# Altium PCB LS1C300B_176A_Msystem.PcbDoc (part 1 of 3) (continued)
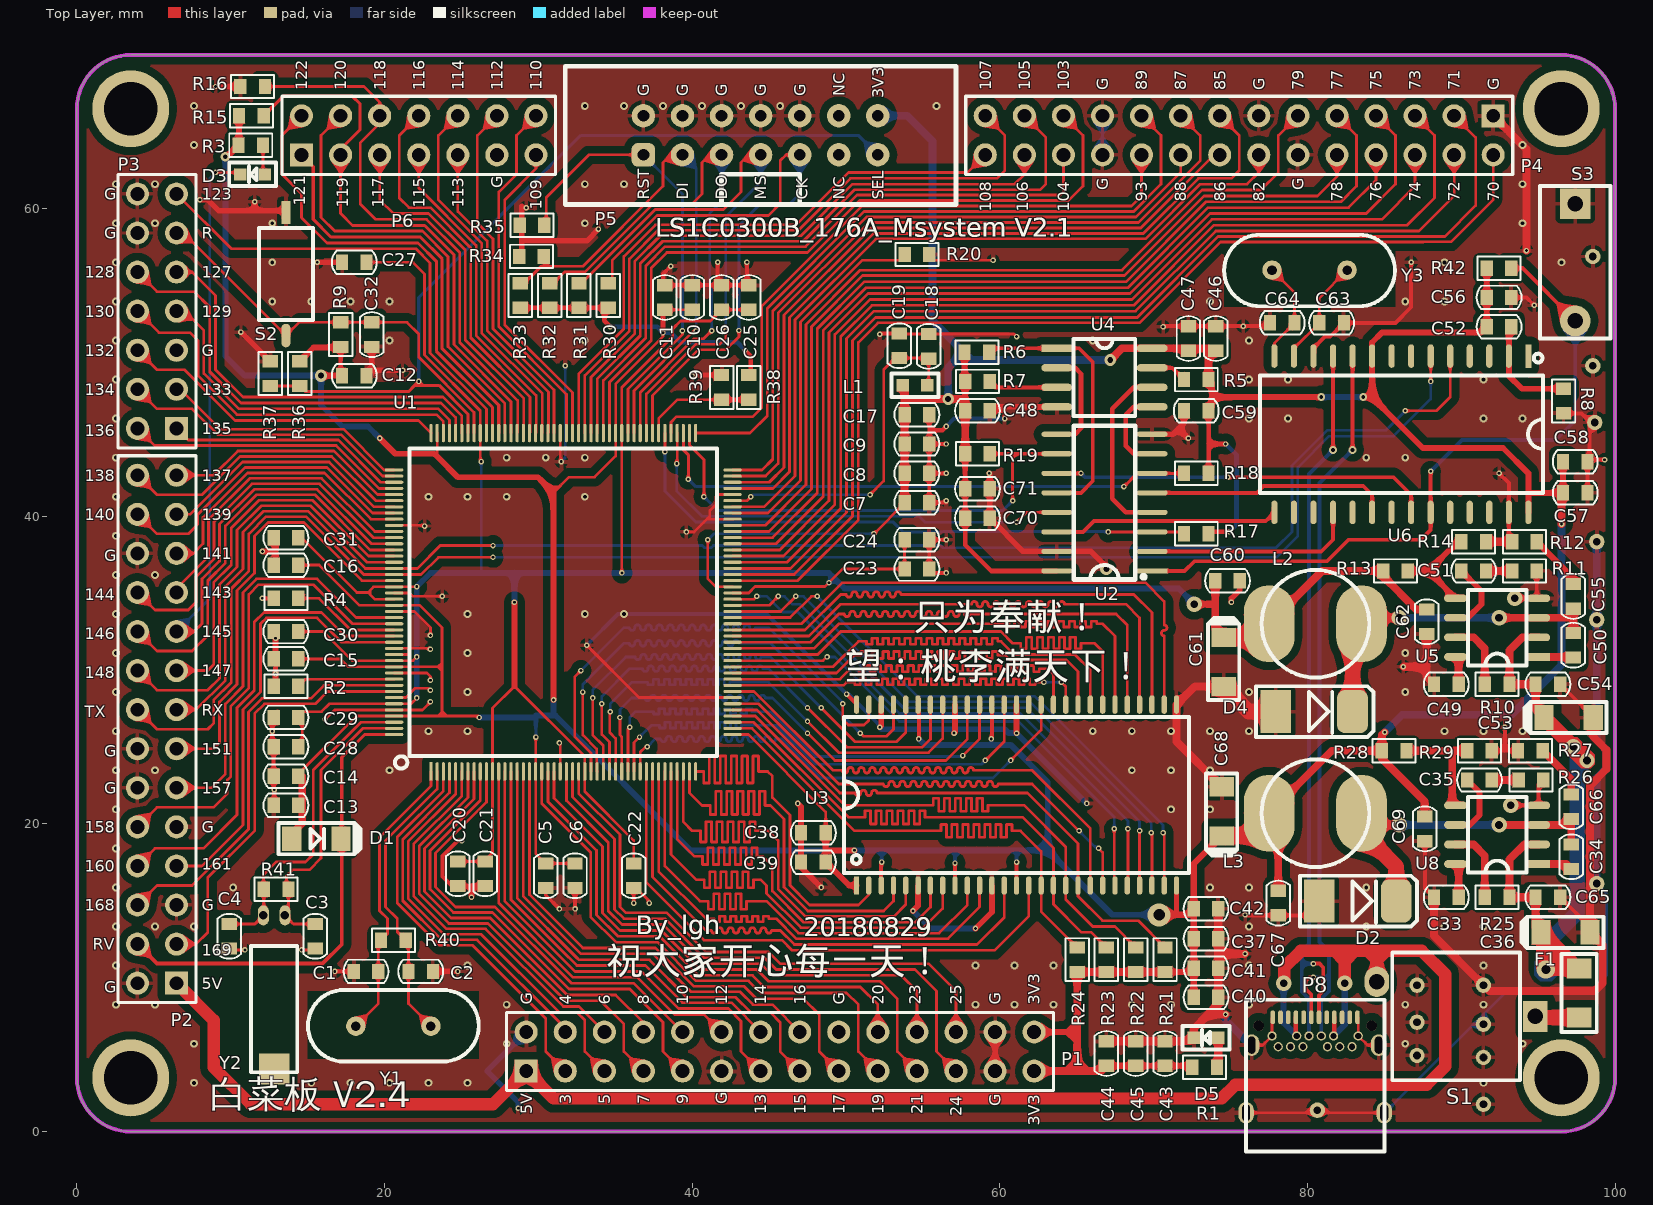
[diagram p0: Top Layer view]
## Footprints (in the part's own frame and the unit in brackets; to place one, negate y for a bottom-side part, rotate by r counter-clockwise, add the part's x,y. Pads: shape width x height; smd on the part's side, far side on the other; paste and mask are expansions set on the pad) (continued)
  silkscreen extent -9.2,-5.24 9.2,3.81, body extent -9.14,-3.81 9.27,3.81, height 2.54
SOP-16 [mm] "BODY长10mm，宽3.9mm，脚间距1.27mm，引脚宽度0.33mm，引脚最宽6.2mm"
  rect 0.33x2 smd: 1(-4.445,-3.1)
  oval 0.33x2 smd: 2(-3.175,-3.1) 3(-1.905,-3.1) 4(-0.635,-3.1) 5(0.635,-3.1) 6(1.905,-3.1) 7(3.175,-3.1) 8(4.445,-3.1) 9(4.445,3.1) 10(3.175,3.1) 11(1.905,3.1) 12(0.635,3.1) 13(-0.635,3.1) 14(-1.905,3.1) 15(-3.175,3.1) 16(-4.445,3.1)
  silkscreen extent -5,-2.67 5,2, body extent -4.95,-2.03 4.95,2.03, height 1.75
TC-38 [mm] "长度8.2mm，直径3mm，脚间距1.1mm（1.4mm）"
  oval 1.3x0.7 hole 0.55: 1(0,0.7) 2(0,-0.7)
  rect 2x2 smd: Shell(-10,0)
  silkscreen extent -10.2,-1.5 -2,1.5, body extent -10.16,-1.5 0,1.5, height 2.99
"Touch button" [mm] "3.5*6*2.5mm"
  rect 1.524x0.6 smd: 1(-4,0)
  oval 1.524x0.6 smd: 2(4,0)
  silkscreen extent -3,-1.75 3,1.75, body extent -3.05,-1.91 3.05,1.91, height 2.5
TSOP54 [mm] "body 长宽22.22mm*10.16mm，引脚长宽22.22mm*11.76mm，脚间距0.8mm"
  rect 0.35x1.2 smd: 1(-10.4,-5.88)
  oval 0.35x1.2 smd: 2(-9.6,-5.88) 3(-8.8,-5.88) 4(-8,-5.88) 5(-7.2,-5.88) 6(-6.4,-5.88) 7(-5.6,-5.88) 8(-4.8,-5.88) 9(-4,-5.88) 10(-3.2,-5.88) 11(-2.4,-5.88) 12(-1.6,-5.88) 13(-0.8,-5.88) 14(0,-5.88) 15(0.8,-5.88) 16(1.6,-5.88) 17(2.4,-5.88) 18(3.2,-5.88) 19(4,-5.88) 20(4.8,-5.88) 21(5.6,-5.88) 22(6.4,-5.88) 23(7.2,-5.88) 24(8,-5.88) 25(8.8,-5.88) 26(9.6,-5.88) 27(10.4,-5.88) 28(10.4,5.88) 29(9.6,5.88) 30(8.8,5.88) 31(8,5.88) 32(7.2,5.88) 33(6.4,5.88) 34(5.6,5.88) 35(4.8,5.88) 36(4,5.88) 37(3.2,5.88) 38(2.4,5.88) 39(1.6,5.88) 40(0.8,5.88) 41(0,5.88) 42(-0.8,5.88) 43(-1.6,5.88) 44(-2.4,5.88) 45(-3.2,5.88) 46(-4,5.88) 47(-4.8,5.88) 48(-5.6,5.88) 49(-6.4,5.88) 50(-7.2,5.88) 51(-8,5.88) 52(-8.8,5.88) 53(-9.6,5.88) 54(-10.4,5.88)
  silkscreen extent -11.21,-5.08 11.21,5.08, body extent -11.18,-5.08 11.18,5.08, height 1.2
TYPE-C-24PIN [mm] "Type-C 座子，前插后贴 24pin"
  oval 1x1.4 hole 0.5 slot 1.1 at 90 deg: 1(-0.455,-1.25) 2(-0.815,-5.64) 3(8.165,-5.64) 4(7.805,-1.25)
  oval 0.3x0.9 smd: A1(0.925,0.56) A2(1.425,0.56) A3(1.925,0.56) A4(2.425,0.56) A5(2.925,0.56) A6(3.425,0.56) A7(3.925,0.56) A8(4.425,0.56) A9(4.925,0.56) A10(5.425,0.56) A11(5.925,0.56) A12(6.425,0.56)
  round 0.6 hole 0.4: B1(6.475,-0.65) B2(6.075,-1.35) B3(5.275,-1.35) B4(4.875,-0.65) B5(4.475,-1.35) B6(4.075,-0.65) B7(3.275,-0.65) B8(2.875,-1.35) B9(2.475,-0.65) B10(2.075,-1.35) B11(1.275,-1.35) B12(0.875,-0.65)
  round 0.675 hole 0.675: NC1(0,0) NC2(7.35,0)
  silkscreen extent -0.83,-8.17 8.18,1.7
YT-8008-112A [mm] "长宽8.3mm，高10mm"
  rect 1.6x2 hole 1: 1(-5.15,0)
  oval 1.6x2 hole 1: 2(5.15,-2.25)
  silkscreen extent -4.15,-4.15 4.15,4.15, body extent -4.19,-4.19 4.19,4.19, height 10

## Part data
C1 C2 C3 C4 C5 C6 C7 C8 C9 C10 C11 C12 C13 C14 C15 C16 C17 C18 C19 C20 C21 C22 C23 C24 C25 C26 C27 C28 C29 C30 C31 C32 C33 C34 C35 C37 C38 C39 C40 C41 C42 C43 C44 C45 C46 C47 C48 C49 C50 C51 C52 C54 C55 C56 C57 C58 C59 C60 C62 C63 C64 C65 C66 C67 C69 C70 C71: library part Cap, "Capacitor", LatestRevisionDate=17-Jul-2002, LatestRevisionNote="Re-released for DXP Platform.", PackageDescription="Radial Cap, Thru-Hole; 2 Leads; 0.3 in Pin Spacing", PackageReference=RAD-0.3, Published=8-Jun-2000, Publisher="Altium Limited"
C36 C53 C61 C68: library part "Cap Pol2", "Polarized Capacitor (Axial)", LatestRevisionDate=17-Jul-2002, LatestRevisionNote="Re-released for DXP Platform.", PackageDescription="Polarized Capacitor; 2 Leads", PackageReference=POLAR0.8, Published=8-Jun-2000, Publisher="Altium Limited"
D1: library part Diode, "Default Diode", Code_JEDEC=DO-214-AB, LatestRevisionDate=17-Jul-2002, LatestRevisionNote="Re-released for DXP Platform.", PackageDescription="DO-214-AB/SMC; 2 C-Bend Leads; Body 7.9 x 5.9 mm, inc. leads (LxW)", PackageReference=SMC, PackageVersion=Sep-1996, Published=8-Jun-2000, Publisher="Altium Limited"
D2 D4: library part 1N47xx
D3 D5: library part LED0, "Typical INFRARED GaAs LED", LatestRevisionDate=08-Jul-2005, LatestRevisionNote="Mech Layer 1 removed.", PackageDescription="LED; 2 Leads", PackageReference=LED-0, Published=8-Jun-2000, Publisher="Altium Limited"
F1: library part "Fuse 1", "Fuse", LatestRevisionDate=17-Jul-2002, LatestRevisionNote="Re-released for DXP Platform.", PackageDescription="Thru-Hole; 2 Leads", PackageReference=PIN-W2/E2.8, Published=8-Jun-2000, Publisher="Altium Limited"
L1 L2 L3: library part Inductor, "Inductor", Code_IEC=1005, Code_JEITA=0402, LatestRevisionDate=29-May-2009, LatestRevisionNote="IPC-7351 Footprint Added.", PackageDescription="Chip Inductor", PackageReference=0402-A, Published=8-Jun-2000, Publisher="Altium Limited"
P1 P2 P4: library part MHDR2X14, "Header, 14-Pin, Dual row", LatestRevisionDate=17-Jul-2002, LatestRevisionNote="Re-released for DXP Platform.", Publisher="Altium Limited"
P3 P6: library part MHDR2X7, "Header, 7-Pin, Dual row", LatestRevisionDate=17-Jul-2002, LatestRevisionNote="Re-released for DXP Platform.", Publisher="Altium Limited"
P5: library part EJTAG-14P
P8: library part Type-C-24PIN, "TYPE-C座子，24pin ，可用于大电流，四脚插板，前插后贴"
R1 R2 R3 R4 R5 R6 R7 R8 R9 R10 R11 R12 R13 R14 R15 R16 R17 R18 R19 R20 R21 R22 R23 R24 R25 R26 R27 R28 R29 R30 R31 R32 R33 R34 R35 R36 R37 R38 R39 R40 R41 R42: library part Res1, "Resistor", LatestRevisionDate=17-Jul-2002, LatestRevisionNote="Re-released for DXP Platform.", PackageDescription="Axial Device, Thru-Hole; 2 Leads; 0.3 in Pin Spacing", PackageReference=AXIAL-0.3, Published=8-Jun-2000, Publisher="Altium Limited"
S1 S3: library part SW-SPST, "Single-Pole, Single-Throw Switch", LatestRevisionDate=17-Jul-2002, LatestRevisionNote="Re-released for DXP Platform.", PackageDescription="Switch; 2 Leads", PackageReference=SPST-2, Published=24-Mar-1999, Publisher="Altium Limited"
S2: library part SW-PB, "Switch", LatestRevisionDate=17-Jul-2002, LatestRevisionNote="Re-released for DXP Platform.", PackageDescription="Switch; 2 Leads", PackageReference=SPST-2, Published=24-Mar-1999, Publisher="Altium Limited"
U1: "龙芯1C300B QFP176A"
U2: library part CH440, "四通道单刀双掷模拟开关 ，EN 低电平使能，IN 低电平 1#端导通，高电平2#端导通，DX是公共端"
U3: library part IS42S16400, "ISSI 公司SDRAM ， 166, 133, 100 MHz"
U4: library part W25Q80, "nor flash W25Q64....华邦"
U5 U8: library part MP1482, "电源稳压芯片MPS,2A，18V的同步整流降压转换器"
U6: library part CH341S_P, "USB to Print Port / Parallel"
Y1 Y2: library part XTAL, "Crystal Oscillator", LatestRevisionDate=17-Jul-2002, LatestRevisionNote="Re-released for DXP Platform.", PackageDescription="Crystal, Thru-Hole; 2 Leads; Body 3.1 x 8.2 mm (Dia.xH)", PackageReference=R38, Published=8-Jun-2000, Publisher="Altium Limited"
Y3: library part CRYSTAL, "Crystal"

## Free pads (board coordinates)
  round 5 hole 3.5: 0(3.5,3.5) 0(3.5,66.5) 0(96.5,3.5) 0(96.5,66.5)
  round 1 hole 0.5: 7(98.806,38.354) 11(80.645,1.397) 27(98.806,33.274) 28(98.679,46.101) 32(87.122,9.525) 33(87.122,7.112) 34(87.122,4.953) 35(91.44,6.985) 36(91.44,9.525) 37(91.44,4.826) 38(91.44,1.778) 39(98.806,16.129) 40(98.552,49.784) 41(98.552,56.896)

## Via types
v1: diameter 0.356, hole 0.178, Top Layer to Bottom Layer, 160 vias
v2: diameter 0.508, hole 0.254, Top Layer to Bottom Layer, 138 vias
v3: diameter 1, hole 0.5, Top Layer to Bottom Layer, 11 vias
v4: diameter 0.8, hole 0.4, Top Layer to Bottom Layer, 2 vias
v5: diameter 0.762, hole 0.381, Top Layer to Bottom Layer, 2 vias
v6: diameter 1.5, hole 0.75, Top Layer to Bottom Layer, 1 vias
v7: diameter 0.6, hole 0.3, Top Layer to Bottom Layer, 1 vias
v8: diameter 1.2, hole 0.6, Top Layer to Bottom Layer, 1 vias

## Nets (pads, with @x,y where several pads share a name; then routed paths per layer and width w, separated by ;. In a path a pad name is that pad's centre, name@x,y a point inside that pad or via, vN(x,y) a via of type N, cw(c..) or ccw(c..) an arc to the next point about the centre after c; other vN are vias at no path point)
1V2: C20.2 C21.2 C22.2 C23.2 C24.2 C25.2 C26.2 C27.2 C28.2 C29.2 C30.2 C31.2 C60.1 C61.1 C62.2 L2.1 R13.2 U1.11 U1.26 U1.68 U1.101 U1.124 U1.152 U1.154 U1.164 U1.171 | length 207.7
  Top Layer w0.178: C31.2@14.516,38.735 18.199,35.052 19.05,35.052 ; C28.2@14.643,25.019 C29.2@14.643,26.924 ; C29.2@14.643,27.305 15.901,27.305 16.413,27.817 U1.171@20.623,27.817 21.721,27.817 v1(22.098,28.194) ; C30.2@14.643,32.512 16.002,32.512 17.897,30.617 U1.164@20.623,30.617 21.854,30.617 v1(22.098,30.861) ; C27.2@18.834,56.515 21.844,56.515 22.606,55.753 22.606,50.482 26.223,46.865 U1.124@26.223,45.417 26.223,43.627 v1(26.289,43.561) ; U1.154@20.623,34.617 19.358,34.617 19.05,34.925 19.05,35.052 ; v1(22.098,35.433) 22.082,35.417 U1.152@20.623,35.417 19.288,35.417 19.05,35.179 19.05,35.052 ; C20.2@24.765,17.564 C21.2@26.543,17.564 26.67,17.564 26.67,17.78 27.023,18.133 U1.11@27.023,23.417 27.023,27.531 28.448,28.956 33.023,24.381 U1.26@33.023,23.417 33.023,22.095 36.195,18.923 C22.2@36.195,17.437 ; v1(35.433,36.322) 35.423,36.332 U1.101@35.423,45.417 35.423,48.377 38.735,51.689 38.735,52.197 39.243,52.705 41.186,52.705 C26.2@41.91,53.429 C25.2@43.561,53.429 ; U1.68@42.623,35.017 43.679,35.017 44.095,35.433 48.641,35.433 v1(48.895,35.687) 49.784,36.576 C23.2@53.81,36.576 C24.2@53.81,38.481
  Top Layer w0.381: 28.448,28.956 v1(28.448,34.417) ; v3(72.644,34.29) 74.003,34.29
  Top Layer w0.5: C60.1@74.003,35.814 74.003,34.29 74.003,32.677 C61.1@74.549,32.131 ; L2.1@77.518,33.02 80.947,36.449 R13.2@84.925,36.449 84.925,36.106 87.084,33.947 C62.2@87.757,33.947
  Top Layer w1: C61.1@74.549,32.131 76.629,32.131 L2.1@77.518,33.02
  Bottom Layer w0.178: 26.289,36.322 v1(26.289,43.561)
  Bottom Layer w0.381: v1(22.098,28.194) v1(22.098,30.861) v1(22.098,35.433) 22.987,36.322 26.289,36.322 28.448,36.322 ; v1(28.448,34.417) 28.448,36.322 ; v1(48.895,35.687) 49.212,36.005 ; v3(72.644,34.29) 71.628,35.306 49.911,35.306 49.212,36.005 ; 28.448,36.322 v1(35.433,36.322) 48.895,36.322 49.212,36.005
3: P1.3 U1.3 | length 26.5
  Top Layer w0.178: U1.3@23.823,23.417 23.823,22.139 20.828,19.144 20.828,14.859 23.571,12.116 25.73,12.116 30.48,7.366 30.48,5.207 P1.3@31.75,3.937
3V3: C5.2 C6.2 C7.2 C8.2 C9.2 C10.2 C11.2 C12.2 C13.2 C14.2 C15.2 C16.2 C17.2 C37.2 C38.2 C39.2 C40.2 C41.2 C42.2 C43.2 C44.2 C45.2 C46.2 C47.2 C48.2 C52.2 C56.2 C57.2 C58.2 C59.2 C67.1 C68.1 C69.2 C70.2 C71.2 D1.1 L1.1 L3.1 P1.27 P1.28 P5.8 R1.2 R3.2 R5.1 R6.1 R7.1 R9.2 R15.1 R17.2 R18.2 R19.2 R21.1 R22.1 R23.1 R24.1 R28.2 R30.2 R31.2 R32.2 R33.2 R36.2 R38.2 R42.2 U1.18 U1.45 U1.69 U1.102 U1.131 U1.155 U1.165 U1.173 U2.16 U3.1 U3.3 U3.9 U3.14 U3.27 U3.43 U3.49 U4.8 U6.9 U6.28 | length 488
  Top Layer w0.178: C16.2@14.516,36.83 15.748,36.83 18.361,34.217 U1.155@20.623,34.217 22.298,34.217 23.74,32.775 23.74,30.217 ; C14.2@14.643,23.495 18.165,27.017 U1.173@20.623,27.017 23.613,27.017 ; C15.2@14.643,30.734 17.145,30.734 17.662,30.217 U1.165@20.623,30.217 23.74,30.217 ; 23.423,43.887 U1.131@23.423,45.417 ; 23.622,27.017 23.876,27.017 ; v1(26.162,26.924) 26.069,27.017 23.876,27.017 ; v1(29.845,25.654) 29.823,25.632 U1.18@29.823,23.417 29.823,18.094 C5.2@30.48,17.437 C6.2@32.385,17.437 ; 30.988,41.529 32.004,42.545 33.655,42.545 35.023,43.913 U1.102@35.023,45.417 35.023,48.612 38.1,51.689 v1(38.1,51.943) ; C11.2@38.1,53.429 C11.2@38.227,53.429 C10.2@39.751,53.429 ; v1(41.021,38.481) 41.021,35.941 41.545,35.417 U1.69@42.623,35.417 ; U1.45@42.623,25.817 43.652,25.817 48.679,20.79 C38.2@48.679,19.431 ; v1(51.816,38.862) 53.81,40.856 C7.2@53.81,40.894 ; 23.74,30.217 23.74,27.153 23.876,27.017
  Top Layer w0.254: R9.2@17.145,51.016 17.145,49.238 C12.2@17.234,49.149 ; U3.3@52.286,16.002 52.286,17.488 v1(52.324,17.526) ; U3.49@54.686,27.762 54.737,27.711 v1(54.737,25.527) ; U3.9@57.086,16.002 v1(57.087,17.463) ; v1(59.436,25.527) 59.486,25.577 U3.43@59.486,27.762 ; U3.14@61.086,16.002 v1(61.087,17.526) v1(61.087,17.526)
  Top Layer w0.3: R33.2@29.083,53.556 R32.2@30.734,53.556 R31.2@32.639,53.556 R30.2@34.29,53.556 ; v1(34.671,52.324) 34.29,52.705 R30.2@34.29,53.556 ; R30.2@34.798,53.556 R30.2@34.544,53.556 R30.2@34.29,53.556 ; v1(38.1,51.943) C11.2@38.1,53.429 ; v1(43.434,50.8) 43.815,50.419 R38.2@43.815,49.187 ; R19.2@57.747,43.942 C71.2@57.747,41.783 C70.2@57.747,39.878 57.747,38.138 59.436,36.449 U2.16@63.702,36.449 ; U3.27@71.486,16.002 71.486,14.112 71.501,14.097 ; R17.2@73.571,38.989 v1(74.93,38.989) ; R18.2@73.571,42.799 73.571,44.704 ; C59.2@73.571,46.863 73.571,44.704 ; v1(74.676,44.704) 73.571,44.704
  Top Layer w0.381: v7(9.652,63.373) 9.652,63.284 9.697,63.328 R3.2@10.503,64.135 10.541,64.173 R15.1@10.541,66.04 ; R36.2@14.478,50.076 15.385,50.983 17.112,50.983 R9.2@17.145,51.016 ; v4(15.875,49.149) C12.2@17.234,49.149 ; v1(19.685,45.085) 20.701,44.069 23.241,44.069 23.423,43.887 24.765,42.545 29.972,42.545 30.988,41.529 v1(30.988,28.067) ; C38.2@48.679,19.431 C39.2@48.679,17.526 50.203,16.002 U3.1@50.686,16.002 ; 48.768,18.288 v1(50.546,18.288) ; 57.709,47.625 57.747,47.663 R7.1@57.747,48.768 57.709,48.806 R6.1@57.709,50.673 ; P1.28@62.23,6.477 65.024,6.477 ; C44.2@66.929,4.28 C45.2@68.834,4.28 C43.2@70.739,4.28 72.428,4.28 R1.2@72.517,4.191 ; R21.1@70.739,10.376 72.352,10.376 C41.2@72.606,10.63 ; C59.2@73.571,46.863 73.787,47.079 73.787,47.752 ; R5.1@73.571,48.895 73.787,48.679 73.787,47.752 ; v2(80.899,47.752) 73.787,47.752 ; v2(83.629,47.752) 84.201,47.752 ; R42.2@91.656,56.134 C56.2@91.656,54.229 C52.2@91.656,52.324 91.275,51.943 84.836,51.943 84.201,51.308 U6.9@84.201,50.419 84.201,47.752 ; U6.28@94.361,40.259 94.361,41.656 ; C57.2@96.52,41.44 C57.2@96.609,41.529 ; C58.2@96.609,43.561 C57.2@96.609,41.529 ; 84.201,47.752 87.503,44.45 92.71,44.45 94.361,42.799 94.361,41.656 ; 94.361,41.656 94.488,41.529 C57.2@96.609,41.529
  Top Layer w0.4: v6(70.358,14.097) 71.501,14.097 72.479,14.097 72.606,13.97 ; C40.2@72.606,8.725 C41.2@72.606,10.63 C37.2@72.606,12.535 72.606,13.97 ; C68.1@74.422,19.228 72.606,17.412 C42.2@72.606,14.478 72.606,13.97
  Top Layer w0.5: D1.1@14.021,19.431 14.643,20.053 14.643,21.209 C14.2@14.643,23.114 ; L1.1@53.683,48.514 53.81,48.387 53.81,47.625 ; C7.2@53.81,40.894 C8.2@53.81,42.799 C9.2@53.81,44.704 C17.2@53.81,46.609 53.81,47.625 ; 57.709,47.625 v5(56.642,47.625) 53.81,47.625 ; R19.2@57.747,43.942 R19.2@57.747,44.069 C48.2@57.747,46.863 57.747,47.663 ; P1.27@62.23,3.937 65.024,3.937 ; C44.2@66.929,4.28 66.586,3.937 65.024,3.937 ; v5(67.183,50.165) 67.945,50.927 U4.8@69.902,50.927 72.263,50.927 73.533,50.927 73.571,50.889 73.571,50.762 R5.1@73.571,48.895 ; R21.1@70.739,10.376 R22.1@68.834,10.376 R23.1@66.929,10.376 R24.1@65.024,10.376 65.024,6.477 65.024,3.937 ; C67.1@78.105,15.659 78.105,20.114 L3.1@77.518,20.701 81.582,24.765 R28.2@84.836,24.765 ; v1(85.026,25.971) 84.836,25.781 R28.2@84.836,24.765 ; C69.2@87.63,20.485 87.63,21.463 84.836,24.257 R28.2@84.836,24.765 ; v1(96.52,39.497) C57.2@96.52,41.44
  Top Layer w1: C68.1@74.422,19.228 76.045,19.228 L3.1@77.518,20.701
  Bottom Layer w0.178: v1(29.845,25.654) 29.845,27.051 ; v1(41.021,38.481) 41.402,38.862 v1(51.816,38.862)
  Bottom Layer w0.254: v1(52.324,17.526) 52.324,18.161 52.451,18.288 ; 57.023,18.288 57.087,18.224 v1(57.087,17.463) ; 59.436,25.146 v1(59.436,25.527) ; v1(61.087,17.526) 61.087,18.161 61.214,18.288
  Bottom Layer w0.3: v1(34.671,52.324) 37.719,52.324 v1(38.1,51.943) 38.608,51.943 39.243,51.308 42.926,51.308 v1(43.434,50.8) ; v1(74.676,44.704) 75.385,43.995 75.385,39.444 v1(74.93,38.989)
  Bottom Layer w0.381: v7(9.652,63.373) 9.652,50.419 10.922,49.149 v4(15.875,49.149) 15.875,47.244 17.272,45.847 18.923,45.847 v1(19.685,45.085) ; v1(26.162,26.924) 29.718,26.924 29.845,27.051 31.115,27.051 ; v1(30.988,28.067) 30.988,27.178 31.115,27.051 ; v1(54.737,25.527) 55.118,25.146 59.436,25.146 60.706,25.146 63.119,22.733 63.119,18.288 ; v6(70.358,14.097) 67.31,14.097 63.119,18.288 ; v2(80.899,47.752) v2(83.629,47.752) ; 31.115,27.051 39.878,18.288 v1(50.546,18.288) 52.451,18.288 57.023,18.288 61.214,18.288 63.119,18.288
  Bottom Layer w0.5: P5.8@52.07,66.04 53.975,66.04 55.626,64.389 55.626,52.705 57.658,50.673 ; v5(56.642,47.625) 56.642,49.657 57.658,50.673 ; v5(67.183,50.165) 58.166,50.165 57.658,50.673 ; v1(85.026,25.971) 86.153,27.098 93.265,27.098 96.52,30.353 v1(96.52,39.497)
4: P1.4 U1.4 | length 23.9
  Top Layer w0.178: U1.4@24.223,23.417 24.223,22.036 21.184,18.997 21.184,15.011 23.724,12.471 26.01,12.471 31.75,6.731 P1.4@31.75,6.477
5: P1.5 U1.5 | length 28.1
  Top Layer w0.178: U1.5@24.623,23.417 24.623,21.933 21.539,18.849 21.539,15.159 23.871,12.827 26.289,12.827 31.369,7.747 32.512,7.747 33.02,7.239 33.02,5.207 P1.5@34.29,3.937
5V: C36.1 C53.1 C54.2 C65.2 F1.1 R10.1 R25.1 U5.2 U8.2 | length 41.5
  Top Layer w0.5: U8.2@95.029,18.669 94.107,18.669 93.129,17.691 R25.1@93.129,15.24 C65.2@94.831,15.24 94.831,13.297 C36.1@95.174,12.954 ; U5.2@95.029,32.131 93.98,32.131 93.129,31.28 R10.1@93.129,29.083 C54.2@94.831,29.083 94.831,27.47 C53.1@95.377,26.924
  Top Layer w0.8: C36.1@95.174,12.954 95.326,12.954 F1.1@97.663,10.617 97.46,10.414 97.333,10.541 v8(95.504,10.541) ; F1.1@97.282,10.617 F1.1@97.282,10.846
  Top Layer w1: C53.1@95.377,26.924 v3(97.282,25.019)
  Bottom Layer w1: v8(95.504,10.541) 95.504,12.192 97.536,14.224 97.536,24.13 97.536,24.765 v3(97.282,25.019)
  other v3: 98.171,24.13
5V1: P1.1 P2.1 P8.A4 P8.A9 P8.B4 P8.B9 S1.2 | length 122.7
  Top Layer w0.3: P8.A4@79.249,7.433 79.249,6.273 P8.B9@79.299,6.223 ; P8.B4@81.699,6.223 81.749,6.273 P8.A9@81.749,7.433
  Top Layer w0.8: P2.1@6.477,9.652 8.89,7.239 8.89,4.191 11.303,1.778 27.051,1.778 P1.1@29.21,3.937 30.988,2.159 74.422,2.159 75.311,3.048 87.757,3.048 88.963,4.255 88.963,10.223 87.433,11.754 84.455,11.754 ; v3(78.45,9.652) 78.486,9.688 78.486,10.668 79.572,11.754 82.423,11.754 ; v3(82.423,9.652) 82.423,11.754 ; S1.2@84.512,9.743 84.512,11.697 84.455,11.754 ; 82.423,11.754 84.455,11.754
  Bottom Layer w0.4: v3(78.45,9.652) 78.45,7.072 P8.B9@79.299,6.223 ; P8.B4@81.699,6.223 82.423,6.947 v3(82.423,9.652)
6: P1.6 U1.6 | length 25.5
  Top Layer w0.178: U1.6@25.023,23.417 25.023,21.83 21.895,18.702 21.895,15.306 24.018,13.183 26.568,13.183 31.623,8.128 32.639,8.128 P1.6@34.29,6.477
7: P1.7 U1.7 | length 29.7
  Top Layer w0.178: U1.7@25.423,23.417 25.423,21.727 22.25,18.555 22.25,15.469 24.181,13.538 26.726,13.538 31.755,8.509 34.036,8.509 35.56,6.985 35.56,5.207 P1.7@36.83,3.937
8: P1.8 U1.8 | length 27.5
  Top Layer w0.178: U1.8@25.823,23.417 25.823,21.625 22.606,18.408 22.606,15.616 24.328,13.894 26.873,13.894 31.877,8.89 35.027,8.89 36.83,7.087 P1.8@36.83,6.477
9: P1.9 U1.9 | length 31.4
  Top Layer w0.178: U1.9@26.223,23.417 26.223,21.522 22.962,18.26 22.962,15.763 24.475,14.249 27.026,14.249 32.004,9.271 35.941,9.271 38.1,7.112 38.1,5.207 P1.9@39.37,3.937
10: P1.10 U1.10 | length 28.8
  Top Layer w0.178: U1.10@26.623,23.417 26.623,21.419 23.317,18.113 23.317,15.91 24.623,14.605 27.183,14.605 32.136,9.652 36.195,9.652 P1.10@39.37,6.477
12: P1.12 U1.12 | length 26.5
  Top Layer w0.178: U1.12@27.423,23.417 27.423,14.868 32.258,10.033 36.449,10.033 38.862,7.62 40.767,7.62 P1.12@41.91,6.477
13: P1.13 U1.13 | length 30.8
  Top Layer w0.178: U1.13@27.823,23.417 27.823,14.971 31.242,11.552 32.38,10.414 36.703,10.414 39.116,8.001 42.355,8.001 43.18,7.175 43.18,5.207 P1.13@44.45,3.937
14: P1.14 U1.14 | length 28.1
  Top Layer w0.178: U1.14@28.223,23.417 28.223,15.074 31.491,11.806 32.502,10.795 36.957,10.795 39.37,8.382 42.545,8.382 P1.14@44.45,6.477
15: P1.15 U1.15 | length 32.4
  Top Layer w0.178: U1.15@28.623,23.417 28.623,15.177 32.497,11.303 32.631,11.168 37.219,11.168 39.649,8.738 42.824,8.738 43.815,7.747 45.085,7.747 45.72,7.112 45.72,5.207 P1.15@46.99,3.937
16: P1.16 U1.16 | length 29.7
  Top Layer w0.178: U1.16@29.023,23.417 29.023,15.3 32.766,11.557 37.465,11.557 39.929,9.093 43.104,9.093 43.942,8.255 45.212,8.255 P1.16@46.99,6.477
17: P1.17 U1.17 | length 34.3
  Top Layer w0.178: U1.17@29.423,23.417 29.423,15.408 32.893,11.938 37.623,11.938 40.112,9.449 43.383,9.449 44.196,8.636 47.244,8.636 48.26,7.62 48.26,5.207 P1.17@49.53,3.937
19: P1.19 U1.19 | length 35.4
  Top Layer w0.178: U1.19@30.223,23.417 30.223,21.339 33.401,18.161 33.401,13.965 35.047,12.319 37.745,12.319 40.259,9.804 43.663,9.804 44.45,9.017 50.038,9.017 50.8,8.255 50.8,5.207 P1.19@52.07,3.937
20: P1.20 U1.20 | length 33.1
  Top Layer w0.178: U1.20@30.623,23.417 30.623,21.447 33.782,18.288 33.782,14.097 35.179,12.7 37.866,12.7 40.406,10.16 43.917,10.16 44.679,9.398 50.927,9.398 52.07,8.255 P1.20@52.07,6.477
21: P1.21 U1.21 | length 37.2
  Top Layer w0.178: U1.21@31.023,23.417 31.023,21.682 34.163,18.542 34.163,14.224 35.306,13.081 37.988,13.081 40.528,10.541 44.196,10.541 44.958,9.779 52.197,9.779 53.34,8.636 53.34,5.207 P1.21@54.61,3.937
23: P1.22 U1.23 | length 35.1
  Top Layer w0.178: U1.23@31.823,23.417 31.823,21.517 34.544,18.796 34.544,14.351 35.433,13.462 38.11,13.462 40.65,10.922 44.45,10.922 45.212,10.16 53.594,10.16 54.61,9.144 P1.22@54.61,6.477
24: P1.23 U1.24 | length 39
  Top Layer w0.178: U1.24@32.223,23.417 32.223,21.752 34.95,19.025 34.95,14.453 35.56,13.843 38.232,13.843 40.772,11.303 44.704,11.303 45.466,10.541 54.483,10.541 55.88,9.144 55.88,5.207 P1.23@57.15,3.937
25: P1.24 U1.25 | length 36.7
  Top Layer w0.178: U1.25@32.623,23.417 32.623,21.987 35.306,19.304 35.306,14.605 35.687,14.224 38.354,14.224 40.894,11.684 44.958,11.684 45.72,10.922 55.372,10.922 57.15,9.144 P1.24@57.15,6.477
70: P4.2 U1.70 | length 69.4
  Top Layer w0.178: U1.70@42.623,35.817 46.866,35.817 50.8,39.751 50.8,51.308 52.07,52.578 69.088,52.578 74.346,57.836 87.544,57.836 87.551,57.844 89.34,57.844 92.075,60.579 P4.2@92.075,63.5
71: P4.3 U1.71 | length 71.4
  Top Layer w0.178: U1.71@42.623,36.217 46.631,36.217 50.419,40.005 50.419,51.435 51.918,52.934 68.936,52.934 74.193,58.191 87.396,58.191 87.404,58.199 88.933,58.199 90.932,60.198 90.932,64.643 P4.3@89.535,66.04
72: P4.4 U1.72 | length 66.2
  Top Layer w0.178: U1.72@42.623,36.617 46.396,36.617 50.038,40.259 50.038,51.562 51.816,53.34 68.834,53.34 74.041,58.547 87.249,58.547 89.535,60.833 P4.4@89.535,63.5
73: P4.5 U1.73 | length 67.9
  Top Layer w0.178: U1.73@42.623,37.017 46.161,37.017 49.657,40.513 49.657,51.689 51.689,53.721 68.707,53.721 73.914,58.928 86.487,58.928 88.265,60.706 88.265,64.77 P4.5@86.995,66.04
74: P4.6 U1.74 | length 62.8
  Top Layer w0.178: U1.74@42.623,37.417 45.926,37.417 49.276,40.767 49.276,51.816 51.562,54.102 68.58,54.102 73.787,59.309 84.836,59.309 86.995,61.468 P4.6@86.995,63.5
75: P4.7 U1.75 | length 64.3
  Top Layer w0.178: U1.75@42.623,37.817 45.691,37.817 48.895,41.021 48.895,51.943 51.435,54.483 68.453,54.483 73.66,59.69 83.82,59.69 85.725,61.595 85.725,64.77 P4.7@84.455,66.04
76: P4.8 U1.76 | length 59.6
  Top Layer w0.178: U1.76@42.623,38.217 45.456,38.217 48.514,41.275 48.514,52.07 51.308,54.864 68.326,54.864 73.533,60.071 82.677,60.071 84.455,61.849 P4.8@84.455,63.5
77: P4.9 U1.77 | length 61.4
  Top Layer w0.178: U1.77@42.623,38.617 45.221,38.617 48.133,41.529 48.133,52.197 51.181,55.245 68.199,55.245 73.406,60.452 82.169,60.452 83.185,61.468 83.185,64.77 P4.9@81.915,66.04
78: P4.10 U1.78 | length 56.4
  Top Layer w0.178: U1.78@42.623,39.017 44.986,39.017 47.752,41.783 47.752,52.324 51.079,55.651 68.097,55.651 73.279,60.833 80.645,60.833 81.915,62.103 P4.10@81.915,63.5
79: P4.11 U1.79 | length 55.3
  Top Layer w0.178: U1.79@42.623,39.417 44.751,39.417 47.396,42.062 47.396,52.476 50.927,56.007 67.945,56.007 73.152,61.214 76.962,61.214 78.105,62.357 78.105,64.77 P4.11@79.375,66.04
82: P4.14 U1.82 | length 50.3
  Top Layer w0.178: U1.82@42.623,40.617 44.681,40.617 46.685,42.621 46.685,52.781 51.943,58.039 69.474,58.039 73.03,61.595 76.073,61.595 76.835,62.357 P4.14@76.835,63.5
85: P4.15 U1.85 | length 51.5
  Top Layer w0.178: U1.85@42.623,41.817 45.246,41.817 46.33,42.901 46.33,52.934 51.791,58.395 69.327,58.395 72.908,61.976 75.057,61.976 75.565,62.484 75.565,64.77 P4.15@74.295,66.04
86: P4.16 U1.86 | length 46.3
  Top Layer w0.178: U1.86@42.623,42.217 45.011,42.217 45.974,43.18 45.974,53.081 51.643,58.75 69.164,58.75 73.914,63.5 P4.16@74.295,63.5
87: P4.17 U1.87 | length 48.1
  Top Layer w0.178: U1.87@42.623,42.617 44.776,42.617 45.593,43.434 45.593,53.213 51.486,59.106 69.017,59.106 73.025,63.114 73.025,64.77 P4.17@71.755,66.04